# Altium PCB 2121_Robot3Roues.PcbDoc (part 1 of 2)
Units mm, origin at the board's own origin, x right, y up, seen from the top; angles counter-clockwise.
Board outline 100 x 152 mm, 2 copper layers (Top Layer, Bottom Layer), stack 1.62 mm thick; 144 components, 78 nets, 447 pads, 120 vias.
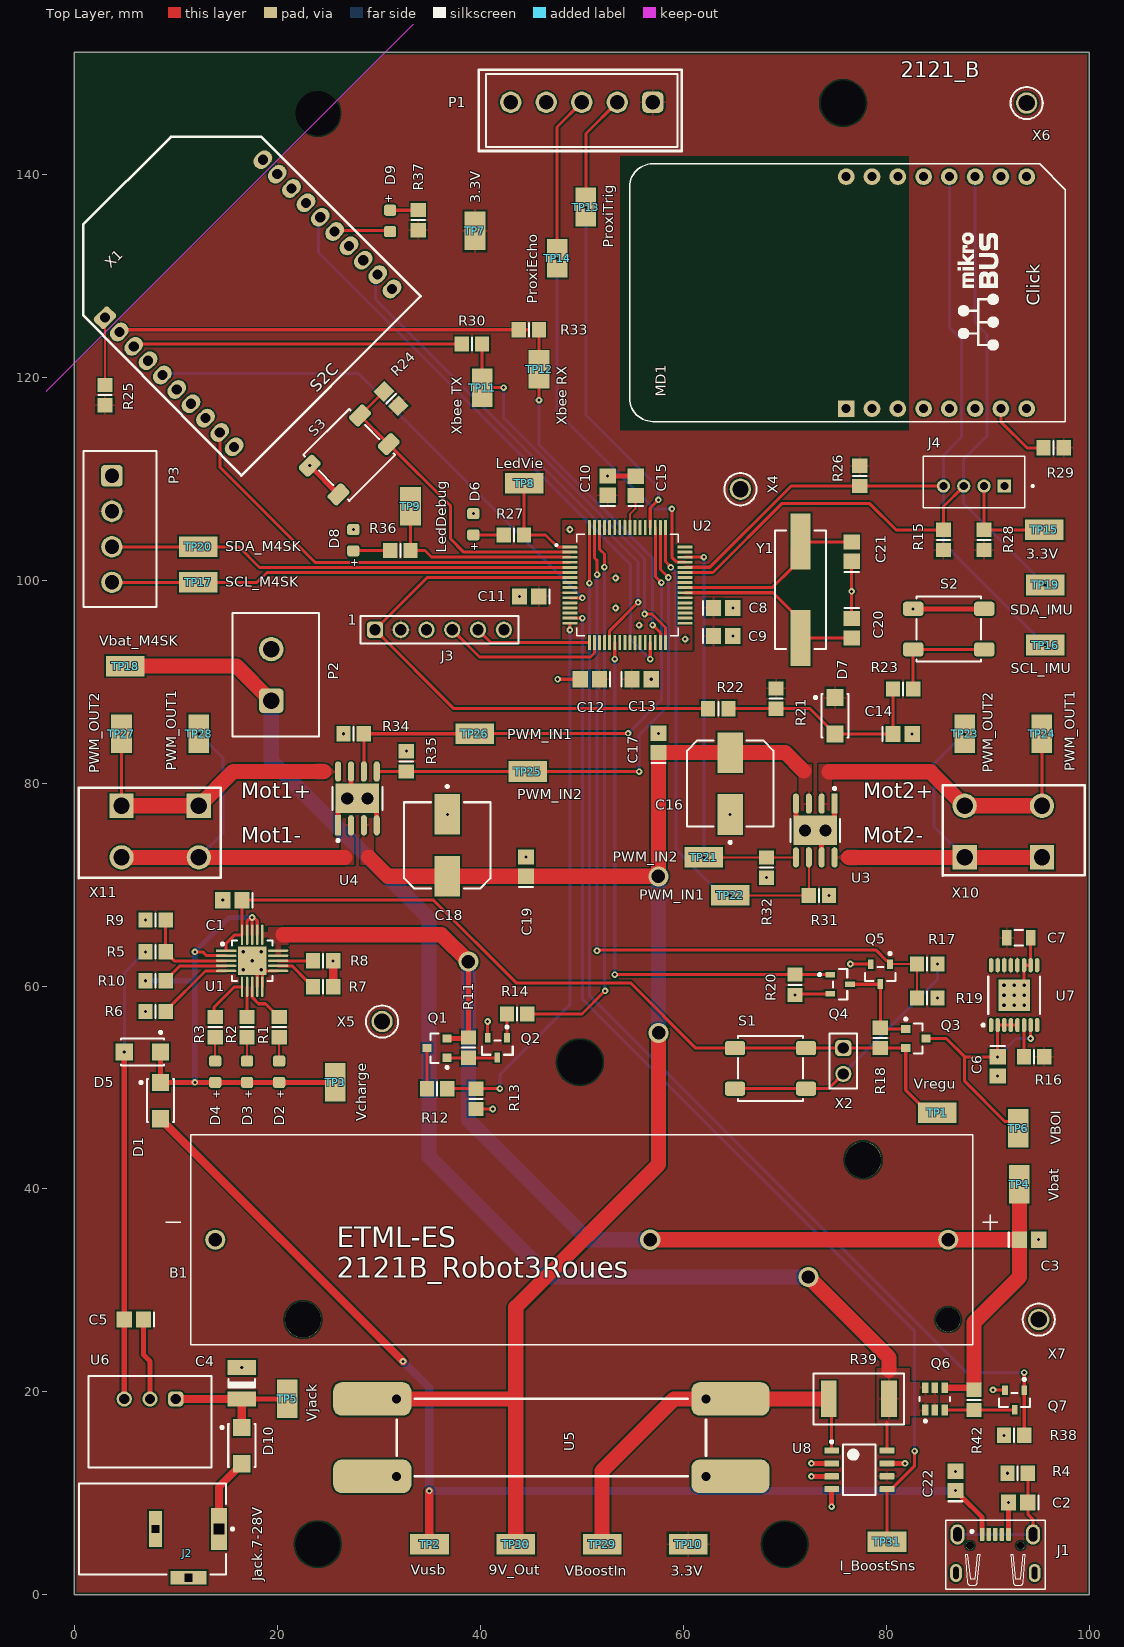
[diagram p0: Top Layer view]
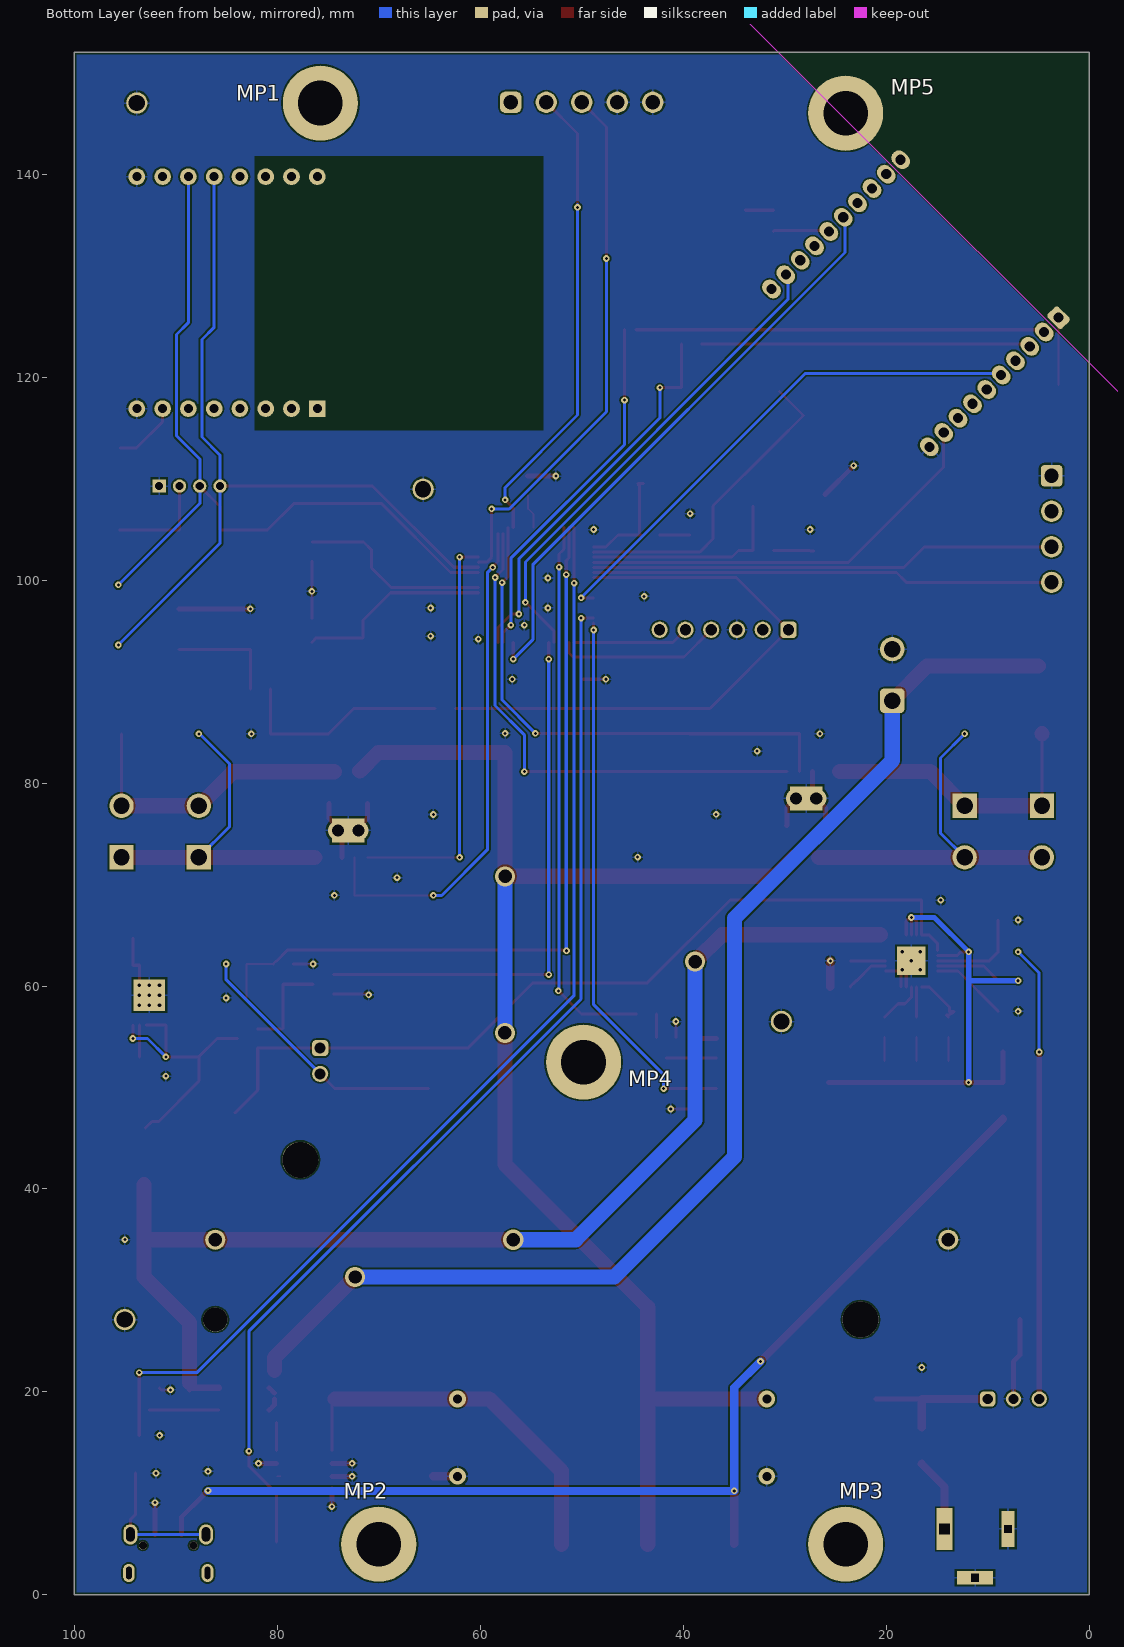
[diagram p1: Bottom Layer view, seen from below]

## Layer stack, top to bottom
Top Solder: solder mask 0.0102, Solder Resist, Dk 3.5
Top Layer: signal copper 0.035
Dielectric1: core 1.55, FR-4, Dk 4.8
Bottom Layer: signal copper 0.035
Bottom Solder: solder mask 0.0102, Solder Resist, Dk 3.5

## Board outline
0,0 0,152 100,152 100,0

## Design rules (kind name [scope] priority, off if disabled: settings)
BoardOutlineClearance [All] p1: gap=0.25 ignorepadtopadclearanceinfootprint=FALSE except(0: Arc-SplitContinuation Track-SplitContinuation SMDPad-SplitContinuation THPad-SplitContinuation Via-SplitContinuation Fill-SplitContinuation Poly-SplitContinuation Region-SplitContinuation Text-SplitContinuation)
Clearance Clearance-xPP-xTP-xTT [All] p1: gap=0.16 ignorepadtopadclearanceinfootprint=FALSE
ComponentClearance [All] p1: gap=0.25 collisioncheckmode=3 verticalgap=0.25 showdistances=FALSE
DiffPairsRouting [All] p1: maxlimit=0.25 minlimit=0.25 mostfreqgap=0.25 toplayer_minwidth=0.381 toplayer_maxwidth=0.381 toplayer_prefwidth=0.381 bottomlayer_minwidth=0.381 bottomlayer_maxwidth=0.381 bottomlayer_prefwidth=0.381 maxuncoupledlength=12.5
Height [All] p1: minheight=0 maxheight=25 prefheight=12.5
HoleSize HoleSize-PTH [All] p1: absolutevalues=TRUE maxlimit=10 minlimit=0.25 maxpercent=80.000 minpercent=20.000
HoleToHoleClearance [All] p1: gap=0.35 allowstackedmicrovias=TRUE
MinimumAnnularRing "Minimum IAR  >0.45mm" [((ObjectKind = 'Pad') OR (ObjectKind = 'Via')) And (Layer = 'MultiLayer') And (HoleDiameter > AsMM(0.45))] p1: minimumring=0.175 // minimum inner annular ring for pads > 0.45mm finished hole size
MinimumAnnularRing "Minimum IAR <=0.45mm" [((ObjectKind = 'Pad') OR (ObjectKind = 'Via')) And (Layer = 'MultiLayer') And (HoleDiameter <= AsMM(0.45))] p2: minimumring=0.175 // minimum inner annular ring for pads <= 0.45mm finished hole size
MinimumSolderMaskSliver [All] p1: minsoldermaskwidth=0.08
PasteMaskExpansion [All] p1: expansion=-0.025
PlaneClearance PlaneClearance-IPI [All] p1: clearance=0.25
PlaneConnect [All] p1: planeconnectstyle=Relief reliefexpansion=0.175 reliefentries=4 reliefconductorwidth=0.2 reliefairgap=0.2
PolygonConnect PolygonConnect-VBatOut [InNet('VBAT') vs HasFootprint('MICROCHIP_C04V2')] p1: connectstyle=Direct reliefconductorwidth=0.5 reliefentries=4 polygonreliefangle="90 Angle" airgapwidth=0.2
PolygonConnect PolygonConnect-xTW [All] p2: connectstyle=Relief reliefconductorwidth=0.2 reliefentries=4 polygonreliefangle="90 Angle" airgapwidth=0.2
RoutingCorners [All] p1: cornerstyle=45-Degree minsetback=2.5 maxsetback=2.5
RoutingVias RoutingViasES [All] p1: holewidth=0.3 width=0.65 viastyle="Through Hole" minholewidth=0.25 minwidth=0.61 maxholewidth=0.45 maxwidth=0.8 // finishet hole size <= 0.45mm
SilkToSilkClearance [All] p1: silktosilkclearance=0.2
SilkToSolderMaskClearance SilkscreenOverComponentPads [IsPad] p1: minsilkscreentomaskgap=0.2 clearancetoexposedcopper=TRUE
SolderMaskExpansion [All] p1: expansion=0 istentingtop=FALSE
SupplyNets "Schematic Supply Nets_6" [InNet('GND')] p1: voltage=0.000
SupplyNets "Schematic Supply Nets_5" [InNet('Vin')] p2: voltage=0.000
SupplyNets "Schematic Supply Nets_4" [InNet('3.3V')] p3: voltage=0.000
SupplyNets "Schematic Supply Nets_3" [InNet('VBOI')] p4: voltage=0.000
SupplyNets "Schematic Supply Nets_2" [InNet('VChargIn')] p5: voltage=0.000
SupplyNets "Schematic Supply Nets_1" [InNet('9V')] p6: voltage=0.000
SupplyNets "Schematic Supply Nets" [InNet('VBO')] p7: voltage=0.000
UnRoutedNet [All] p1: checkbadconnections=TRUE
Width Width-VBatOut [InNetClass('VBatOut')] p1: maxlimit=2 minlimit=0.3 preferedwidth=1.5 minimp=50.000000 maximp=50.000000 favimp=50.000000
Width Width-Power [InNetClass('Power')] p2: maxlimit=0.8 minlimit=0.3 preferedwidth=0.5
Width Width-xTW_1 [All] p3: maxlimit=1.5 minlimit=0.15 preferedwidth=0.3
17 further rules are at their usual default settings.

## Classes and differential pairs
net class Power: GND NetC5_2 NetC22_1 NetD10_1 VBO VBOI VChargIn Vin
net class VBatOut: NetP2_1 VBAT VBoostIn
component class U_PIC32: C8 C9 C10 C11 C12 C13 C14 C15 C20 C21 D6 D7 D8 J3 R21 R22 R23 R27 R36 S2 TP8 TP9 U2 U? Y1
component class U_Externe: D9 J4 MD1 P1 P2 P3 R15 R24 R25 R26 R28 R29 R30 R33 R37 S3 TP10 TP11 TP12 TP13 TP14 TP15 TP16 TP17 TP18 TP19 TP20 X1
component class "U_Contrôle moteur": C16 C17 C18 C19 R31 R32 R34 R35 TP21 TP22 TP23 TP24 TP25 TP26 TP27 TP28 U3 U4 X10 X11
component class U_Boost9V: R39 TP29 TP30 TP31 U5 U8
component class U_Alimentation: B1 C1 C2 C3 C4 C5 C6 C7 C22 D1 D2 D3 D4 D5 D10 J1 J2 MP1 MP2 MP3 MP4 MP5 Q1 Q2 Q3 Q4 Q5 Q6 Q7 R1 R2 R3 R4 R5 R6 R7 R8 R9 R10 R11 R12 R13 R14 R16 R17 R18 R19 R20 R38 R42 S1 TP1 TP2 TP3 TP4 TP5 TP6 TP7 U1 U6 U7 X2 X4 X5 X6 X7

## Components (designator, comment, footprint, x,y, rotation, side; value= is the part's Value field where it differs from the comment)
B1 "Battery" BAT_1043 50,35 r0 top locked value=3.3V
C1 "4.7uF, 35V" CAPC2012M 15.576,68.453 r180 top
C2 "4.7nF" CAPC2012M 93,9.1 r180 top
C3 "10uF, 10V" CAPC2012M 94.075,35 r0 top value=10uF
C4 "10uF, 63V" CAPC3225M 16.5,20.86 r90 top
C5 "22uF, 10V" CAPC2012M 5.87,27.13 r180 top
C6 "4.7uF, 35V" CAPC2012M 90.98,52.075 r270 top
C7 "6,8uF, 16V" FP-CGA4J-IPC_A 93.055,64.75 r0 top
C8 "100nF, 50V" CAPC2012M 63.932,97.25 r0 top
C9 "100nF, 50V" CAPC2012M 63.932,94.475 r0 top
C10 "100nF, 50V" CAPC2012M 52.551,109.3 r90 top
C11 "100nF, 50V" CAPC2012M 44.807,98.39 r180 top
C12 "100nF, 50V" CAPC2012M 50.8,90.225 r180 top
C13 "100nF, 50V" CAPC2012M 55.898,90.223 r0 top
C14 "100nF, 50V" CAPC2012M 81.611,84.837 r0 top
C15 "10uF, 10V" CAPC2012M 55.318,109.284 r90 top value=10uF
C16 "100uF, 25V" FP-UWX1E101MCL1GB-MFG 64.626,79.95 r90 top
C17 "100nF, 50V" CAPC2012M 57.551,83.95 r90 top
C18 "100uF, 25V" FP-UWX1E101MCL1GB-MFG 36.75,73.855 r270 top
C19 "100nF, 50V" CAPC2012M 44.5,71.755 r90 top
C20 "22pF, 10V" CAPC2012M 76.598,95.25 r270 top value=22pF
C21 "22pF, 10V" CAPC2012M 76.598,102.8 r90 top value=22pF
C22 "4.7uF, 35V" CAPC2012M 86.825,11.232 r90 top
D1 "SS14-E3/5AT" VISH-DO-214AC-2_V 8.5,48.71 r90 top
D2 "Super Red, 1.9 V" WL-SMCW_0805 20.186,51.55 r270 top
D3 "Super Red, 1.9 V" WL-SMCW_0805 17.026,51.55 r270 top
D4 "Super Red, 1.9 V" WL-SMCW_0805 13.885,51.55 r270 top
D5 "SS14-E3/5AT" VISH-DO-214AC-2_V 6.71,53.5 r0 top
D6 "Bright Green, 2 V" WL-SMCW_0805 39.315,105.495 r270 top
D7 "SS14-E3/5AT" VISH-DO-214AC-2_V 74.961,86.627 r90 top
D8 "Super Red, 1.9 V" WL-SMCW_0805 27.492,103.928 r270 top
D9 "Bright Green, 2 V" WL-SMCW_0805 31.119,135.389 r90 top
D10 "SS14-E3/5AT" VISH-DO-214AC-2_V 16.5,14.71 r90 top
J1 "WR-Communication Connectors 629105150521" 629105150521 90.75,5.962 r0 top
J2 "RAPC712X" SWITCH-RAPC712X-3_V 11.125,6.5 r270 top locked
J3 "61300611121" 61300611121 35.975,95.1 r0 top
J4 "110990030" SEEED_110990030 88.636,109.256 r180 top
MD1 "MIKROE-4073" MIKROE-2859 93.84,116.89 r90 top
MP1 "M3, Length 5mm" troueAbraser 75.75,147 r180 bottom
MP2 "M3, Length 5mm" troueAbraser 70,5 r180 bottom
MP3 "M3, Length 5mm" troueAbraser 24,5 r180 bottom
MP4 "M3, Length 5mm" troueAbraser 49.821,52.5 r180 bottom
MP5 "M3, Length 5mm" troueAbraser 24,146 r180 bottom
P1 "691321100005" 691321100005 50,146.275 r180 top
P2 "691311500102" 691311500102 19.85,90.65 r90 top
P3 "691321100004" 691321100004 4.5,105.025 r270 top
Q1 "NVR1P02T1G" ONSC-SOT-23-3-318-08_V 35.74,53.875 r180 top
Q2 "BSS138LT1G" FP-318-MFG 41.68,53.925 r270 top
Q3 "NVR1P02T1G" ONSC-SOT-23-3-318-08_V 82.925,54.83 r0 top
Q4 "BSS138LT1G" FP-318-MFG 75.461,60.171 r0 top
Q5 "BSS138LT1G" FP-318-MFG 79.415,61.171 r270 top
Q6 "IRLTS2242TRPBF" FP-PG-TSOP-6-MFG 84.8,19.31 r90 top
Q7 "BSS138LT1G" FP-318-MFG 92.65,19.21 r270 top
R1 "270R" RESC2012M 20.186,55.95 r270 top
R2 "270R" RESC2012M 17.026,55.95 r270 top
R3 "270R" RESC2012M 13.885,55.95 r270 top
R4 "1M" RESC2012M 92.95,11.99 r180 top
R5 "1k" RESC2012M 8.003,63.364 r0 top
R6 "10k" RESC2012M 8.001,57.5 r0 top
R7 "5.6k" RESC2012M 24.511,59.924 r180 top
R8 "1k" RESC2012M 24.511,62.484 r180 top
R9 "10k" RESC2012M 8.004,66.5 r0 top
R10 "10k" RESC2012M 8.001,60.519 r180 top
R11 "39k" RESC2012M 38.83,53.925 r90 top
R12 "39k" RESC2012M 35.74,49.884 r180 top
R13 "39k" RESC2012M 39.58,48.884 r90 top
R14 "270R" RESC2012M 43.63,57.25 r180 top
R15 "4.7k" RESC2012M 85.636,103.95 r270 top
R16 "100k" RESC2012M 94.58,53.025 r180 top
R17 "10k" RESC2012M 84.04,62.171 r0 top
R18 "6.2k" RESC2012M 79.415,54.88 r270 top
R19 "39k" RESC2012M 84.04,58.821 r180 top
R20 "10k" RESC2012M 71,60.121 r90 top
R21 "10k" RESC2012M 69.151,88.323 r90 top
R22 "1k" RESC2012M 63.453,87.323 r180 top
R23 "100R" RESC2012M 81.661,89.265 r180 top
R24 "47k" RESC2012M 31.218,117.869 r315 top
R25 "0R" RESC2012M 3.022,118.225 r270 top
R26 "4.7k" RESC2012M 77.398,110.256 r90 top
R27 "270R" RESC2012M 43.315,104.445 r0 top
R28 "0R" RESC2012M 89.636,103.95 r270 top
R29 "0R" RESC2012M 96.498,113.028 r0 top
R30 "0R" RESC2012M 39.18,123.248 r0 top
R31 "10k" RESC2012M 73.371,68.925 r180 top
R32 "10k" RESC2012M 68.201,71.675 r90 top
R33 "0R" RESC2012M 44.791,124.663 r0 top
R34 "10k" RESC2012M 27.53,84.855 r0 top
R35 "10k" RESC2012M 32.715,82.135 r270 top
R36 "270R" RESC2012M 32.124,102.904 r0 top
R37 "270R" RESC2012M 33.89,135.46 r270 top
R38 "10k" RESC2012M 92.6,15.734 r0 top
R39 "40 mOhms ±1% 4W" RES2512_VMS-R040-1.0-U 77.3,19.31 r0 top
R42 "10k" RESC2012M 88.65,19.21 r90 top
S1 "430451035836" 430451035836 68.599,51.88 r180 top
S2 "430451035836" 430451035836 86.161,95.168 r0 top
S3 "430451035836" 430451035836 27.09,112.328 r225 top
TP1 "Vregu" KSTN-5019_V 85.04,47.51 r0 top
TP2 "Vusb" KSTN-5019_V 35,5 r180 top
TP3 "Vcharge" KSTN-5019_V 25.693,50.5 r270 top
TP4 "Vbat" KSTN-5019_V 93.125,40.446 r90 top
TP5 "Vjack" KSTN-5019_V 21,19.31 r270 top
TP6 "VBOI" KSTN-5019_V 93,46 r90 top
TP7 "3.3V" KSTN-5019_V 39.48,134.4 r270 top
TP8 "LedVie" KSTN-5019_V 44.315,109.525 r180 top
TP9 "LedDebug" KSTN-5019_V 33.124,107.276 r90 top
TP10 "3.3V" KSTN-5019_V 60.5,5 r180 top
TP11 "Xbee TX" KSTN-5019_V 40.185,118.95 r270 top
TP12 "Xbee RX" KSTN-5019_V 45.791,120.75 r90 top
TP13 "ProxiTrig" KSTN-5019_V 50.386,136.755 r90 top
TP14 "ProxiEcho" KSTN-5019_V 47.567,131.687 r90 top
TP15 "3.3V" KSTN-5019_V 95.564,104.95 r0 top
TP16 "SCL_IMU" KSTN-5019_V 95.662,93.598 r0 top
TP17 "SCL_M4SK" KSTN-5019_V 12.214,99.775 r180 top
TP18 "Vbat_M4SK" KSTN-5019_V 5.025,91.525 r180 top
TP19 "SDA_IMU" KSTN-5019_V 95.662,99.517 r0 top
TP20 "SDA_M4SK" KSTN-5019_V 12.214,103.275 r180 top
TP21 "PWM_IN2" KSTN-5019_V 62.038,72.675 r180 top
TP22 "PWM_IN1" KSTN-5019_V 64.626,68.925 r0 top
TP23 "PWM_OUT2" KSTN-5019_V 87.728,84.837 r90 top
TP24 "PWM_OUT1" KSTN-5019_V 95.33,84.855 r270 top
TP25 "PWM_IN2" KSTN-5019_V 44.7,81.13 r180 top
TP26 "PWM_IN1" KSTN-5019_V 39.453,84.855 r180 top
TP27 "PWM_OUT2" KSTN-5019_V 4.65,84.855 r270 top
TP28 "PWM_OUT1" KSTN-5019_V 12.272,84.855 r270 top
TP29 "VBoostIn" KSTN-5019_V 52,5 r180 top
TP30 "9V_Out" KSTN-5019_V 43.5,5 r0 top
TP31 "I_BoostSns" KSTN-5019_V 80.075,5.237 r180 top
U1 "MCP73871T-2CCI/ML" MICROCHIP_C04V2 17.526,62.484 r0 top
U2 "PIC32MX795F512H-80I/PT" PIC32MX765F512H 54.5,99.5 r0 top
U3 "HbridgeControl" Rohm_HTSOP-J8_IPC_A 73.006,75.325 r270 top
U4 "HbridgeControl" Rohm_HTSOP-J8_IPC_A 27.895,78.48 r90 top
U5 "MT3608 Module" MT3608 47,15.5 r90 top locked
U6 "173010578" WPME-FDSM_SIP-3_173010x78 7.46,17.06 r180 top
U7 "MAX1793EUE33+" TSOP65P640X110_HS-17N 92.605,59.096 r90 top
U8 "LMP8601MAX/NOPB" D0008A_N 77.35,12.325 r0 top
X1 "XB24CAUIT-001" Xbee_TH 17.164,127.268 r45 top
X2 "Conn2.54" 61300211121 75.775,52.61 r270 top
X4 "5011" KSTN-5011_V 65.632,108.95 r90 top
X5 "5011" KSTN-5011_V 30.325,56.5 r0 top
X6 "5011" KSTN-5011_V 93.84,147 r0 top
X7 "5011" KSTN-5011_V 95.032,27.13 r0 top
X10 "691256610002" ConnMoteur_V2 95.348,72.675 r90 top
X11 "691256610002" ConnMoteur_V2 4.652,77.755 r270 top
Y1 "8MHz, 22p" FOX-FOXSDLF160-20_V 71.548,99.05 r90 top value="8M, 22p"

## Footprints (in the part's own frame and the unit in brackets; to place one, negate y for a bottom-side part, rotate by r counter-clockwise, add the part's x,y. Pads: shape width x height; smd on the part's side, far side on the other; paste and mask are expansions set on the pad)
61300211121 [mm]
  rrect50% 1.6x1.6 hole 1.1: 1(-1.27,0)
  round 1.6 hole 1.1: 2(1.27,0)
  silkscreen extent -2.69,-1.35 2.69,1.35, body extent -2.54,-1.27 2.54,1.27, height 8.57
61300611121 [mm]
  rrect40% 1.6x1.6 hole 1.1: 1(-6.35,0)
  round 1.6 hole 1.1: 2(-3.81,0) 3(-1.27,0) 4(1.27,0) 5(3.81,0) 6(6.35,0)
  silkscreen extent -7.77,-1.35 7.77,1.34, body extent -7.62,-1.27 7.62,1.27, height 8.57
430451035836 [mm]
  rrect40% 2x1.4 smd: 1(-3.5,2) 2(3.5,2) 3(-3.5,-2) 4(3.5,-2)
  silkscreen extent -3.2,-3.2 3.2,3.2, body extent -4,-3.1 4,3.1, height 3.5
629105150521 [mm]
  rrect50% 0.45x1.3 smd: 1(-1.3,0) 2(-0.65,0) 3(0,0) 4(0.65,0) 5(1.3,0)
  oval 1.4x2 hole 0.85 slot 1.4 at 90 deg: Z1(-3.725,0) Z2(3.725,0)
  oval 1.15x1.8 hole 0.55 slot 1.2 at 90 deg: Z4(-3.875,-3.8) Z4(3.875,-3.8)
  round 0.8 hole 0.8 unplated: ""(-2.5,-1.1) ""(2.5,-1.1)
  silkscreen extent -4.9,-5.4 4.9,1.4, body extent -4,-6.25 4,0.35, height 2.67
691311500102 [mm]
  rrect30% 2.4x2.4 hole 1.6: 1(-2.54,0.45)
  round 2.4 hole 1.6: 2(2.54,0.45)
  silkscreen extent -6.08,-4.25 6.08,4.25, body extent -6.08,-4.25 6.08,4.25, height 12.05
691321100004 [mm]
  rrect30% 2.1x2.1 hole 1.4: 1(-5.25,-0.8)
  round 2.1 hole 1.4: 2(-1.75,-0.8) 3(1.75,-0.8) 4(5.25,-0.8)
  silkscreen extent -7.7,-3.6 7.7,3.6, body extent -7.7,-3.6 7.7,3.6, height 9.3
691321100005 [mm] "Vertical PCB Header, pitch 3.5mm, 05p"
  rrect50% 2.1x2.1 hole 1.4: 1(-7,-0.8)
  round 2.1 hole 1.4: 2(-3.5,-0.8) 3(0,-0.8) 4(3.5,-0.8) 5(7,-0.8)
  silkscreen extent -9.45,-3.6 9.45,3.6, body extent -9.45,-3.6 9.45,3.6, height 9.3
BAT_1043 [mm]
  round 1.98 hole 1.32: 1(36.11,0) 2(-36.11,0)
  round 3.55 hole 3.55 unplated: ""(-27.47,-7.87) ""(27.73,7.87)
  round 2.39 hole 2.39 unplated: ""(36.11,-7.87)
  silkscreen extent -41,-10.33 41,10.33
CAPC2012M [mm] "Chip Capacitor, Body 2.0x1.3mm, IPC Low Density"
  rect 1.5x1.6 smd: 1(-0.95,0) 2(0.95,0)
  silkscreen extent -2,-0.7 -2,0.7, body extent -1.1,-0.72 1.1,0.72, height 1.1
CAPC3225M [mm] "Chip Capacitor, Body 3.2x2.5mm, IPC Low Density"
  rect 1.5x2.8 smd: 1(-1.55,0) 2(1.55,0)
  silkscreen extent -0.4,-1.3 0.4,1.3, body extent -1.7,-1.35 1.7,1.35, height 1.35
ConnMoteur_V2 [mm]
  rect 2.4x2.4 hole 1.6: 1(0,7.62) 1(0,0)
  round 2.4 hole 1.6: 2(5.08,7.62) 2(5.08,0)
  silkscreen extent -1.79,-4.2 7.11,9.78
D0008A_N [mm] "SOIC, 8-Leads, Body 5x4mm, Pitch 1.27mm, IPC Medium Density"
  rrect17% 1.45x0.6 smd: 1(-2.725,1.905) 2(-2.725,0.635) 3(-2.725,-0.635) 4(-2.725,-1.905) 5(2.725,-1.905) 6(2.725,-0.635) 7(2.725,0.635) 8(2.725,1.905)
  silkscreen extent -2.85,-2.5 1.6,2.88, body extent -3,-2.45 3,2.45, height 1.63
FOX-FOXSDLF160-20_V [mm] "SMD, 2-Leads, Body 5x11.7mm, Height 4.5mm"
  rect 5.5x2 smd: 1(-4.75,0) 2(4.75,0)
  silkscreen extent -5.85,-2.5 5.85,2.5, body extent -5.85,-2.5 5.85,2.5, height 4.5
FP-318-MFG [mm]
  rect 0.95x0.56 smd paste+0 mask+0: 1(-0.975,0.95) 2(-0.975,-0.95) 3(0.975,0)
  silkscreen extent -2.15,-1.52 0.7,1.52, body extent -1.55,-1.62 1.55,1.62, height 0.25
FP-CGA4J-IPC_A [mm]
  rect 0.956x1.556 smd paste+0 mask+0: 1(-1.175,0) 2(1.175,0)
  silkscreen extent -0.4,-0.78 0.4,0.78, body extent -2.15,-1.28 2.15,1.28, height 0.25
FP-PG-TSOP-6-MFG [mm]
  rect 1.06x0.65 smd paste+0 mask+0: 1(-1.1,0.95) 2(-1.1,0) 3(-1.1,-0.95) 4(1.1,-0.95) 5(1.1,0) 6(1.1,0.95)
  silkscreen extent -2.3,-1.5 0.2,1.5, body extent -1.4,-1.45 1.4,1.45, height 1.45
FP-UWX1E101MCL1GB-MFG [mm]
  rect 4x2.5 smd paste+0 mask+0: 1(-3.05,0) 2(3.05,0)
  silkscreen extent -5.92,-4.25 4.25,4.25, body extent -5.3,-4.5 5.3,4.5, height 0.25
KSTN-5011_V [mm] "Test Point, Dia 3.17mm"
  round 2.1 hole 1.6: 1(0,0)
  silkscreen extent -1.58,-1.59 1.58,1.59, body extent -1.59,-1.59 1.59,1.59, height 8.13
KSTN-5019_V [mm] "Test Point, 1-Leads, Body 3.81x2.03mm"
  rect 3.8x2.03 smd: 1(0,0)
  body extent -1.9,-1.01 1.9,1.02, height 2.29
MICROCHIP_C04V2 [mm]
  rect 2x0.239 smd paste+0 mask+0: 1(-2.56,1)
  rrect100% 2x0.239 smd paste+0 mask+0: 2(-2.56,0.5) 3(-2.56,0) 4(-2.56,-0.5) 5(-2.56,-1) 11(2.56,-1) 12(2.56,-0.5) 13(2.56,0) 14(2.56,0.5) 15(2.56,1)
  rrect100% 0.239x2 smd paste+0 mask+0: 6(-1,-2.56) 7(-0.5,-2.56) 8(0,-2.56) 9(0.5,-2.56) 10(1,-2.56) 16(1,2.56) 17(0.5,2.56) 18(0,2.56) 19(-0.5,2.56) 20(-1,2.56)
  rect 2.8x2.8 smd paste-1000 mask+0: 21(0,0)
  rect 2.8x2.8 smd far side paste-1000 mask+0: 21(0,0)
  silkscreen extent -3.05,-2 2,2, body extent -2,-2 2,2, height 1
MIKROE-2859 [mil]
  rect 65x65 hole 35: 1(0,700)
  round 65 hole 35: 2(0,600) 3(0,500) 4(0,400) 5(0,300) 6(0,200) 7(0,100) 8(0,0) 9(900,0) 10(900,100) 11(900,200) 12(900,300) 13(900,400) 14(900,500) 15(900,600) 16(900,700)
  silkscreen extent -50,-150 950,1540, body extent -58,-150 957,1540, height 340
MT3608 [mm] "Régulateur de tension DC-DC Boost 2-24V"
  rrect50% 3.3x7.7 smd: 0(-3.81,-17.64) 1(3.81,-17.64) 2(3.81,17.64) 3(-3.81,17.64)
  silkscreen extent -3.81,-15.24 3.81,15.24
ONSC-SOT-23-3-318-08_V [mm] "SOT23, 3-Leads, Body 2.92x1.3mm, Pitch 0.95mm"
  rect 0.9x0.8 smd: 1(-1,0.95) 2(-1,-0.95) 3(1,0)
  silkscreen extent -1.13,-1.46 0.65,2.02, body extent -0.65,-1.46 0.65,1.46, height 1.11
PIC32MX765F512H [mm]
  rrect30% 1.47x0.28 smd: 1(-5.67,3.75) 2(-5.67,3.25) 3(-5.67,2.75) 4(-5.67,2.25) 5(-5.67,1.75) 6(-5.67,1.25) 7(-5.67,0.75) 8(-5.67,0.25) 9(-5.67,-0.25) 10(-5.67,-0.75) 11(-5.67,-1.25) 12(-5.67,-1.75) 13(-5.67,-2.25) 14(-5.67,-2.75) 15(-5.67,-3.25) 16(-5.67,-3.75) 33(5.67,-3.75) 34(5.67,-3.25) 35(5.67,-2.75) 36(5.67,-2.25) 37(5.67,-1.75) 38(5.67,-1.25) 39(5.67,-0.75) 40(5.67,-0.25) 41(5.67,0.25) 42(5.67,0.75) 43(5.67,1.25) 44(5.67,1.75) 45(5.67,2.25) 46(5.67,2.75) 47(5.67,3.25) 48(5.67,3.75)
  rrect30% 0.28x1.47 smd: 17(-3.75,-5.67) 18(-3.25,-5.67) 19(-2.75,-5.67) 20(-2.25,-5.67) 21(-1.75,-5.67) 22(-1.25,-5.67) 23(-0.75,-5.67) 24(-0.25,-5.67) 25(0.25,-5.67) 26(0.75,-5.677) 27(1.25,-5.67) 28(1.75,-5.67) 29(2.25,-5.67) 30(2.75,-5.67) 31(3.25,-5.67) 32(3.75,-5.67) 49(3.75,5.67) 50(3.25,5.67) 51(2.75,5.67) 52(2.25,5.67) 53(1.75,5.67) 54(1.25,5.67) 55(0.75,5.67) 56(0.25,5.67) 57(-0.25,5.67) 58(-0.75,5.67) 59(-1.25,5.67) 60(-1.75,5.67) 61(-2.25,5.67) 62(-2.75,5.67) 63(-3.25,5.67) 64(-3.75,5.67)
  silkscreen extent -7.1,-5 5,5
RES2512_VMS-R040-1.0-U [mm]
  rect 1.55x3.6 smd: 1(-2.975,0) 2(2.975,0)
  silkscreen extent -4.45,-2.5 4.45,2.5
RESC2012M [mm] "Chip Resistor, Body 2.0x1.3mm, IPC Low Density"
  rect 1.4x1.5 smd: 1(-1,0) 2(1,0)
  silkscreen extent 0,-0.65 0,0.65, body extent -1.07,-0.7 1.07,0.7, height 0.65
Rohm_HTSOP-J8_IPC_A [mm]
  rect 2.005x0.594 smd paste+0 mask+0: 1(-2.65,1.905)
  rrect100% 2.005x0.594 smd paste+0 mask+0: 2(-2.65,0.635) 3(-2.65,-0.635) 4(-2.65,-1.905) 5(2.65,-1.905) 6(2.65,-0.635) 7(2.65,0.635) 8(2.65,1.905)
  rect 2.9x4.3 smd paste-1000 mask+0: 9(0,0)
  rect 2.4x3.2 smd far side paste-1000 mask+0: 9(0,0)
  silkscreen extent -4.28,-2.45 1.15,2.45, body extent -4.15,-2.95 4.15,2.95, height 0.25
SEEED_110990030 [mm]
  rect 1.308x1.308 hole 0.8: 1(-3,0)
  round 1.308 hole 0.8: 2(-1,0) 3(1,0) 4(3,0)
  silkscreen extent -5.9,-2.95 5,2.15
SWITCH-RAPC712X-3_V [mm] "CONN, 3-Leads, Body 14.5x9mm"
  rect 4.1x1.55 hole 1.01 square: 1(0,3.125)
  rect 3.55x1.3 hole 0.76 square: 2(0,-3.125)
  rect 1.3x3.55 hole 0.76 square: 3(4.8,0.125)
  silkscreen extent -4.5,-10.68 4.5,4.58, body extent -4.5,-10.68 4.5,3.83, height 11
troueAbraser [mm] "M3 Thread Internal, Length 5mm"
  round 7.4 / inner round 0 / far side round 0 hole 4.4 unplated paste-2539.97: 1(0,0)
  body extent -3,-3 3,3, height 5.01
TSOP65P640X110_HS-17N [mm] "TSOP, 16-Leads, Body 5.00x4.40mm, Pitch 0.65mm, Thermal Pad 3.10x3.10mm, IPC Medium Density"
  oval 1.4x0.45 smd: 1(-2.95,2.275) 2(-2.95,1.625) 3(-2.95,0.975) 4(-2.95,0.325) 5(-2.95,-0.325) 6(-2.95,-0.975) 7(-2.95,-1.625) 8(-2.95,-2.275) 9(2.95,-2.275) 10(2.95,-1.625) 11(2.95,-0.975) 12(2.95,-0.325) 13(2.95,0.325) 14(2.95,0.975) 15(2.95,1.625) 16(2.95,2.275)
  rect 3.1x3.1 smd: 10(0,0)
  rect 3.1x3.1 smd far side: 10(0,0)
  silkscreen extent -3.07,-2.55 1.85,3.17, body extent -3.19,-2.55 3.19,2.55, height 1.1
VISH-DO-214AC-2_V [mm] "SMA, 2-Leads, Body 4.245x2.665mm, Height 2.29mm"
  rect 1.7x1.68 smd: 1(-1.79,0) 2(1.79,0)
  silkscreen extent -2.12,-1.33 2.12,2.06, body extent -2.57,-1.33 2.57,1.33, height 2.29
WL-SMCW_0805 [mm]
  rrect40% 1.1x1.2 smd: 1(-1.05,0) 2(1.05,0)
  body extent -1,-0.63 1,0.62, height 0.7
WPME-FDSM_SIP-3_173010x78 [mm] "Fixed Step Down Regulator Module, SIP-3, body 11.60 x 8.50 mm"
  rrect50% 1.5x1.5 hole 1: 1(-2.54,-2.25)
  round 1.5 hole 1: 2(0,-2.25) 3(2.54,-2.25)
  silkscreen extent -6.05,-4.5 6.05,4.5, body extent -5.8,-4.25 5.8,4.25, height 10.55
Xbee_TH [mm]
  rrect40% 2x1.5 hole 1: 1(-11,9)
  oval 2x1.5 hole 1: 2(-11,7) 3(-11,5) 4(-11,3) 5(-11,1) 6(-11,-1) 7(-11,-3) 8(-11,-5) 9(-11,-7) 10(-11,-9) 11(11,-9) 12(11,-7) 13(11,-5) 14(11,-3) 15(11,-1) 16(11,1) 17(11,3) 18(11,5) 19(11,7) 20(11,9)
  silkscreen extent -12.5,-11.5 12.5,17, body extent -12.38,-11.19 12.12,16.71, height 3.56

## Part data
B1: "LiPo battery 4.2V / 1173015-62", Manufacturer 1=Molex, Manufacturer Part Number 1=78171-0002, Supplier Part Number 1=538-78171-0002, ComponentLink1Description=Datasheet, ComponentLink1URL=http://www.mouser.com/ds/2/276/0781710002_PCB_HEADERS-152473.pdf, Pin Count=2, Prix u / 1=0.57, Supplier=DigiKey, Supplier 1=Mouser, Supplier min. quantity=1, Supplier PN=WM4459CT-ND, Supplier price=0.58
C1 C6 C22: library part CMP-08246-002735-1, "Multilayer Ceramic Capacitors 4.7μF ±10% 35V X7R SMD 0805", Capacitance=4.7uF, Case Code (Imperial)=0805, Case Code (Metric)=2012, Dielectric=X7R, Dielectric Material=Ceramic, Max Operating Temperature=125°C, Min Operating Temperature=-55°C, Package Quantity=2000, Tolerance=10%, Voltage Rating=35V, Case/Package=0805, Construction=Flat, Depth=1.25mm, Height=1.25mm, Lead Free="Lead Free", Length=2mm, Mount="Surface Mount", Packaging="Tape and Reel", Radiation Hardening=No, REACH SVHC="No SVHC", RoHS Compliant=Yes, Series=C, Termination=SMD/SMT, Thickness=0.057inch, Voltage Rating (DC)=35V, Weight=0.000194oz, Width=0.049inch
C2: library part CMP-2007-00141-2, "Chip Multilayer Ceramic Capacitors for General Purpose, 0805, 4700pF, C0G, 30ppm/°C, 5%, 50V", Case Code (Imperial)=0805, Case Code (Metric)=2012, Dielectric=C0G, Dielectric Material=Ceramic, Insulation Resistance=10GR, Max Operating Temperature=125°C, Min Operating Temperature=-55°C, Package Quantity=4000, Temperature Coefficient=30ppm/°C, Tolerance=5%, Voltage=50V, Capacitance=4.7nF, Case/Package=0805, Depth=1.25mm, Height=0.85mm, Lead Free="Lead Free", Length=2mm, Mount="Surface Mount", Number of Pins=2, Packaging="Tape and Reel", Radiation Hardening=No, REACH SVHC="No SVHC", Termination=SMD/SMT, Thickness=0.037inch, Voltage Rating=50V, Voltage Rating (DC)=50V, Width=0.049inch
C3: library part CMP-2007-03243-2, "CAP CER 10UF 10V X5R 0805", 3DS Part Number=220-00001, Capacitance=10uF, Manufacturer=Kemet, Manufacturer Part Number=C0805C106K8PACTU, Package=C0805C-DG, Supplier Part Number 1=1276-2897-1-ND, Temperature="-55°C to +85°C", Temperature Characteristic=X5R, Temperature Coefficient=15%, Temperature Range High=+85°C, Temperature Range Low=-55°C, Tolerance=10%, Voltage=10V, Automotive=No, Category=Cap, ComponentLink2Description=Datasheet, ComponentLink2URL=https://content.kemet.com/datasheets/KEM_C1006_X5R_SMD.pdf, Device Class L1="Passive Components", Device Class L2=Capacitors, Device Class L3="Ceramic Capacitors", Digikey Description="CAP CER 10UF 10V X5R 0805", Height=1.4mm, Ipc Land Pattern Name=CAPC200125X125, Lead Free=Yes, Material=Ceramic, Mouser Description="CAP CER 10UF 10V X5R 0805", Octopart=https://octopart.com/c0805c106k8pactu-kemet-98697, RoHS=TRUE, Supplier 1=DigiKey, Voltage Rating=10V
C4: library part CMP-2000-07458-2, "CAP CER 10UF 63V X7R 1210", Capacitance=10uF, Case Code (Imperial)=1210, Case Code (Metric)=3225, Dielectric=X7R, Dielectric Material=Ceramic, Max Operating Temperature=125°C, Min Operating Temperature=-55°C, Package Quantity=1000, Tolerance=10%, Voltage=63V, Case/Package=1210, Depth=2.5mm, Height=2.5mm, Lead Free="Lead Free", Length=3.2mm, Material=Ceramic, Mount="Surface Mount", Packaging="Tape and Reel", REACH SVHC="No SVHC", RoHS Compliant=Yes, Termination=SMD/SMT, Thickness=0.106inch, Voltage Rating=63V, Voltage Rating (DC)=63V, Weight=0.00388oz, Width=2.5mm
C5: library part CMP-2007-00096-1, "10V 22uF X5R ±20% 0805 Multilayer Ceramic Capacitors MLCC - SMD/SMT ROHS", Manufacturer=Murata, Part Number=GRM219R61A226MEA0D, Supplier Part Number 1=2695949, Supplier 1=Farnell
C7: library part CMP-08246-001453-1, "Cap Ceramic 6.8uF 16V X5R 20% Pad SMD 0805 +85°C Automotive T/R", Capacitance=6.8uF, Case Code (Imperial)=0805, Case Code (Metric)=2012, Max Operating Temperature=85°C, Min Operating Temperature=-55°C, Package Quantity=1, Ratings=AEC-Q200, Tolerance=20%, Voltage Rating=16V, Case/Package=0805, Length=0.079inch, Mount="Surface Mount", Packaging="Tape and Reel", Thickness=0.057inch, Width=0.049inch
C8 C9 C10 C11 C12 C13 C14 C17 C19: library part 885012207098, "WCAP-CSGP General Purpose Ceramic Capacitors, size 0805, 100nF, +/-10%, 50VDC", Capacitance=100nF, Capacitance Tolerance=+/-10%, Isolation Resistance=>=5GOhm, Operating Temperature="-55 to +125degC", Rated Voltage=50VDC, Supplier Part Number 1=732-8080-1-ND, Ceramic Type=X7R, ComponentLink1Description=Manufacturer, ComponentLink1URL=http://www.we-online.de, ComponentLink2Description=Datasheet, ComponentLink2URL=https://katalog.we-online.com/pbs/datasheet/885012207098.pdf, Dissipation Factor=#NAME?, Height="0.8mm +/-0.10mm", Mounting Technology=SMD, Packaging="Tape and Reel", Part Number=885012207098, Published Date="August 2019", Publisher="Wurth Elektronik", Size=0805, Supplier 1=Digi-Key, Supplier 2=Distrelec, Supplier Part Number 2=30067953, Technical Reference=X7R0805104K050DFCT10000
C15: library part CMP-2007-03243-2, "CAP CER 10UF 10V X5R 0805", 3DS Part Number=220-00001, Capacitance=10uF, Manufacturer=Kemet, Manufacturer Part Number=C0805C106K8PACTU, Package=C0805C-DG, Temperature="-55°C to +85°C", Temperature Characteristic=X5R, Temperature Coefficient=15%, Temperature Range High=+85°C, Temperature Range Low=-55°C, Tolerance=10%, Voltage=10V, Automotive=No, Category=Cap, ComponentLink2Description=Datasheet, ComponentLink2URL=https://content.kemet.com/datasheets/KEM_C1006_X5R_SMD.pdf, Device Class L1="Passive Components", Device Class L2=Capacitors, Device Class L3="Ceramic Capacitors", Digikey Description="CAP CER 10UF 10V X5R 0805", Height=1.4mm, Ipc Land Pattern Name=CAPC200125X125, Lead Free=Yes, Material=Ceramic, Mouser Description="CAP CER 10UF 10V X5R 0805", Octopart=https://octopart.com/c0805c106k8pactu-kemet-98697, RoHS=TRUE, Voltage Rating=10V
C16 C18: library part CMP-12462-000012-1, "CAP ALUM 100UF 20% 25V SMD", Capacitance=100uF, Case/Package=Radial, Dielectric Material=Aluminium, Leakage Current=3uA, Max Operating Temperature=85°C, Min Operating Temperature=-40°C, Package Quantity=1000, Ripple Current=110mA, Tolerance=20%, Voltage=25V, Diameter=8mm, Dissipation Factor=0.14%, Height=5.4mm, Height - Seated (Max)=0.213inch, Lead Diameter=0.8mm, Lead Free="Lead Free", Lead Pitch=2.3mm, Length=5.4mm, Life (Hours)=2000Hour, Mount="Surface Mount", Number of Pins=2, Packaging="Tape and Reel", Polarity=Polar, Radiation Hardening=No, REACH SVHC="No SVHC", Ripple Current (AC)=110mA, Termination=SMD/SMT, Voltage Rating=25V, Voltage Rating (DC)=25V, Weight=0.01lb, Width=0.25inch
C20 C21: library part CMP-1036-01211-1, "CAP 22pF 10V ±10% 0805 (2012 Metric) Thickness 0.75mm SMD", Case-EIA=0805, Case-Metric=2012, Rated Voltage="10 V", Tolerance=Â±10%, Max Thickness="0.75 mm", Technology=SMT
D1 D5 D7 D10: library part CMP-0549-00004-1, "Schottky Barrier Rectifier, 40 V Maximum DC Blocking Voltage, -65 to 125 degC, 2-Pin SMA Case, RoHS", Manufacturer="Vishay Semiconductor", Operating Temperature="-65 to 125 degC", ComponentLink1Description="Manufacturer URL", ComponentLink1URL=http://www.vishay.com/, ComponentLink2Description=Datasheet, ComponentLink2URL=http://www.vishay.com/docs/88746/ss12.pdf, ComponentLink3Description="Package Specification", ComponentLink3URL=http://www.vishay.com/docs/88746/ss12.pdf, DatasheetVersion=12/17/2012, IF(AV)="1 A Max.", IFSM="40 A", Mounting Technology="Surface Mount", PackageDescription="2-Pin SMD, Body 4.245 x 2.665 mm, Height 2.29 mm", PackageReference=DO-214AC-2, PackageVersion=Dec-12, PartNumber=SS14-E3/5AT, RoHS=TRUE, VDC="40 V Max.", VRMS="28 V Max.", VRRM="40 V Max."
D2 D3 D4 D8: library part 150080SS75000, "SMT Mono-color Chip LED Waterclear WL-SMCW, size 0805, Super Red, 1.9 V, 140 deg, 60 mcd", Emitting Color="Super Red", Forward Voltage="1.9 V", Operating Temperature="-40 to 85 degC", Supplier Part Number 1=732-4985-1-ND, Chip Technology=AlInGaP, ComponentLink1Description=Manufacturer, ComponentLink1URL=http://www.we-online.de, ComponentLink2Description=Datasheet, ComponentLink2URL=https://katalog.we-online.de/led/datasheet/150080SS75000.pdf, Dominant Wavelength="630 nm", Luminous Intensity="60 mcd", Mounting Technology=SMT, Packaging="Tape and Reel", Part Number=150080SS75000, Peak Wavelength="645 nm", Published Date="November 2018", Publisher="Wurth Elektronik", Size=0805, Supplier 1=Digi-Key, Supplier 2=Distrelec, Supplier Part Number 2=30008875, Viewing Angle="140 deg"
D6 D9: library part 150080VS75000, "SMT Mono-color Chip LED Waterclear WL-SMCW, size 0805, Bright Green, 2 V, 140 deg, 40 mcd", Emitting Color="Bright Green", Forward Voltage="2 V", Operating Temperature="-40 to 85 degC", Supplier Part Number 1=732-4986-1-ND, Chip Technology=AlInGaP, ComponentLink1Description=Manufacturer, ComponentLink1URL=http://www.we-online.de, ComponentLink2Description=Datasheet, ComponentLink2URL=https://katalog.we-online.de/led/datasheet/150080VS75000.pdf, Dominant Wavelength="570 nm", Luminous Intensity="40 mcd", Mounting Technology=SMT, Packaging="Tape and Reel", Part Number=150080VS75000, Peak Wavelength="572 nm", Published Date="November 2018", Publisher="Wurth Elektronik", Size=0805, Supplier 1=Digi-Key, Supplier 2=Distrelec, Supplier Part Number 2=30008876, Viewing Angle="140 deg"
J1: "WR-COM_USB_Micro Type B_Horizontal_SMT", Manufacturer="Würth Elektronik eiSos GmbH", partNo=629105150521, Supplier Part Number 1=732-5960-1-ND, ComponentLink1 Description=Manufacturer, ComponentLink1URL=http://www.we-online.de, ComponentLink2 Description=Datasheet, ComponentLink2URL=http://katalog.we-online.de/em/datasheet/629105150521.pdf, Created by="Karrer Zheng", Created Date=10/21/2014, NoPins=5, Supplier 1=Digi-Key, Supplier 2=Distrelec, Supplier Part Number 2=30009163
J2: library part CMP-2000-05383-1, "Conn Powerjack Mini R/A PCMT, 5 A, 3-Pin THD, RoHS", Color=Black, Current Rating=5A, Manufacturer=Switchcraft, Standard Package=2,500, Catalog Drawings="RAPC7(1,2)2XSide /  / RAPC7(1,2)2XTop", Category=Connectors,Interconnects, Connector Type=Jack, Contact Material=Brass, Contact Material - Plating=Nickel, Datasheet URL=https://datasheet.ciiva.com/391/rapc712x-cd-391666.pdf, Datasheet Version="Rev. A, 08/2005", Dynamic Catalog=SwitchcraftInc, Family=Barrel-PowerConnectors, Gender=Male, Housing Color=Black, Housing Material=Thermoplastic, Internal Switch(s)=SingleSwitch,NormallyClosed, Manufacturer URL=http://www.switchcraft.com/, Mating Products="SC1539-ND / -CONNPLUGMINIPWR2CONDBLK/RED / SC1051-ND / -CONNPLUGMINIPOWER2CONDBLACK", Mounting Type=ThroughHole,RightAngle, Number of Positions/Contacts=2Conductors,2Contacts, Other Names="Q2387461 / Q2526383 / RAPC712X-ND / SC237", Plug/Mating Plug Diameter=2.5mmID,5.5mmOD, RoHS Information=SwitchcraftRoHSInfo, Shielding=Unshielded, Termination=SolderEyelet(s)
J3: "WR-PHD Pin Header, THT, pitch 2.54mm, Single Row, Vertical, 6pin", Contact Resistance=20mOhm, Operating Temperature="-40 to +105degC", Rated Current=3A, Supplier Part Number 1=732-5319-ND, Withstanding Voltage=500VAC, Working Voltage=250VAC, ComponentLink1Description=Manufacturer, ComponentLink1URL=http://www.we-online.de, ComponentLink2Description=Datasheet, ComponentLink2URL=https://katalog.we-online.de/em/datasheet/6130xx11121.pdf, Gender=Male, Mounting Technology=THT, Orientation=Vertical, Packaging=Bag, Part Number=61300611121, Pin Number=6, Pitch=2.54mm, Published Date="June 2019", Publisher="Wurth Elektronik", Row Number=Single, Supplier 1=Digi-Key, Supplier 2=Distrelec, Supplier Part Number 2=30024526
J4: "GROVE 2MM 4PIN VERT CONN 10PCS", Package=None, Arrow_Electronics-Purchase-URL=https://snapeda.com/shop?store=Arrow+Electronics&id=583576, Availability=Good, MF="Seeed Technology", Mouser-Purchase-URL=https://snapeda.com/shop?store=Mouser&id=583576, MP=110990030, Price=None, SnapEDA_Link=https://www.snapeda.com/parts/110990030/Seeed%20Technology%20Co.,%20Ltd/view-part/583576/?ref=snap
MP1 MP2 MP3 MP4 MP5: library part 9774050360, "WA-SMSI SMT Steel Spacer, M3 Thread Internal, Length 5mm", ComponentLink1Description=Manufacturer, ComponentLink1URL=http://www.we-online.de, ComponentLink2Description=Datasheet, ComponentLink2URL=http://katalog.we-online.de/em/datasheet/9774050360.pdf, InnerDiameter=4.2mm, Length=5mm, OuterDiameter=6mm, Packaging=Bulk, PartNumber=9774050360, PublishedDate="Dec. 2016", Publisher="Wurth Elektronik", Supplier="Stock ES", Thread=M3
P1: library part CMP-1502-01786-3, "3211; 3.5MM Pitch Straight Pluggable Term Block, Pcb Header, Through Hole, 5 Way", Color=Green, Current=10A, Voltage=300V, Contact Material=Brass, Gender=Male, Height=12.7mm, Lead Pitch=3.5mm, Length=7mm, Mount="Through Hole", Number of Contacts=5, Number of Levels=1, Number of Pins=5, Number of Positions Per Level=5, Number of Rows=1, Orientation=Vertical, Packaging=Box, Pitch=3.5052mm, RoHS=Compliant, Termination=Solder, Width=22.1mm
P2: "TERM BLOCK HDR 2POS VERT 5.08MM", Color=Green, Current=20A, Manufacturer="Wurth Electronics", Operating Temperature="-40 to +105degC", Package Quantity=600, Supplier Part Number 1=732-2058-ND, Voltage=300V, Working Voltage [UL]=300VAC, Application=Pluggable, Category="Terminal Blocks", Compliance="ROHS & Reach", ComponentLink1Description=Manufacturer, ComponentLink1URL=http://www.we-online.de, ComponentLink2Description=Datasheet, ComponentLink2URL=https://katalog.we-online.de/em/datasheet/691311500102.pdf, ComponentLink3Description=https://datasheet.ciiva.com/8043/624565-8043494.pdf?src-supplier=Element14, ComponentLink3URL=https://datasheet.ciiva.com/8043/624565-8043494.pdf?src-supplier=Element14, ComponentLink4Description=https://datasheet.ciiva.com/795/6913115001xx-795807.pdf?src-supplier=Digi-Key, ComponentLink4URL=https://datasheet.ciiva.com/795/6913115001xx-795807.pdf?src-supplier=Digi-Key, ComponentLink5Description=https://datasheet.ciiva.com/48686/001088643-da-01-en-wr-tbl-terminal-block311-691311500102-48686869.pdf?src-supplier=Conrad, ComponentLink5URL=https://datasheet.ciiva.com/48686/001088643-da-01-en-wr-tbl-terminal-block311-691311500102-48686869.pdf?src-supplier=Conrad, Contact Material=Brass, Contact Plating=Tin, Height=12mm, Length=8.5mm, Manufacturer Part Number=691311500102, Modularity=No, Mount="Through Hole", Mounting Technology=THT, Number of Contacts=2, Number of Levels=1, Number of Positions Per Level=2, Number of Rows=1, Orientation=Vertical, Packaging=Box, Part Number=691311500102, PCB/Cable/Panel=PCB, Pin Number=2, Pitch=5.08mm, Pricing 1="1=0.28000, 10=0.24600, 50=0.21300, 100=0.20400 (USD)", Published Date="October 2019", Publisher="Wurth Elektronik", Rated Current [UL]=20A, REACH SVHC=Unknown, RoHS=Yes, Stock 1=1175, Supplier 1=Digi-Key, Termination=Solder, Type=Vertical, Width=11.5mm
P3: "WR-TBL Serie 3211 Vertical PCB Header, Pluggable, pitch 3.5mm, 4p", Operating Temperature="-40 to +105degC", Rated Current [UL]=10A, Working Voltage [UL]=300VAC, Application=Pluggable, Compliance=RoHS, ComponentLink1Description=Manufacturer, ComponentLink1URL=http://www.we-online.de, ComponentLink2Description=Datasheet, ComponentLink2URL=https://katalog.we-online.de/em/datasheet/691321100004.pdf, Modularity=No, Mounting Technology=THT, Packaging=Box, Part Number=691321100004, PCB/Cable/Panel=PCB, Pin Number=4, Pitch=3.5mm, Published Date="October 2019", Publisher="Wurth Elektronik", Type=Vertical
Q1 Q3: library part CMP-1058-00745-1, "Power MOSFET, -20 V, -1 A, P-Channel, 3-Pin SOT-23, Pb-Free, Tape and Reel", Manufacturer="On Semiconductor", Package Type=SOT-23-3, Channel Polarity="P Channel", Ciss Typ (pF)=165, ComponentLink1Description="Manufacturer URL", ComponentLink1URL=http://www.onsemi.com/, ComponentLink2Description=Datasheet, ComponentLink2URL=http://www.onsemi.cn/pub_link/Collateral/NTR1P02T1-D.PDF, ComponentLink3Description="Package Specification", ComponentLink3URL=http://www.onsemi.cn/pub_link/Collateral/318-08.PDF, Configuration=Single, Coss Typ (pF)=110, Crss Typ (pF)=35, DatasheetVersion="Rev. 7", ID Max (A)=1, Mounting Technology="Surface Mount", PackageDescription="3-Pin Small Outline Transistor, Body 2.92 x 1.3 mm, Pitch 0.95 mm", PackageReference=SOT-23-3-318-08, PackageVersion="Rev. AP, 11/2009", Packing="Tape and Reel", PartNumber=NVR1P02T1G, PD Max (W)=0.4, Qrr Typ (nC)=8, RoHS=Pb-Free, V(BR)DSS Min (V)=20, VGS Max (V)=20, VGS(th) Max (V)=2.3
Q2 Q4 Q5 Q7: library part CMP-1058-00767-2, Case/Package=SOT-23-3, Continuous Drain Current (ID)=200mA, Drain to Source Breakdown Voltage=50V, Drain to Source Resistance=3.5Ω, Gate to Source Voltage (Vgs)=20V, Input Capacitance=50pF, Manufacturer Lifecycle Status=ACTIVE, Max Junction Temperature (Tj)=150°C, Max Power Dissipation=225mW, Min Operating Temperature=-55°C, Threshold Voltage=1.5V, Contact Plating=Tin, Current Rating=200mA, Drain to Source Voltage (Vdss)=50V, Element Configuration=Single, Halogen Free="Halogen Free", Height=1.01mm, Lead Free="Lead Free", Length=3.04mm, Lifecycle Status=Production, Max Operating Temperature=150°C, NexarPartId=5035, Nominal Vgs=1.5V, Number of Channels=1, Number of Elements=1, Number of Pins=3, Packaging="Cut Tape", Power Dissipation=225mW, Radiation Hardening=No, Rds On Max=3.5Ω, REACH SVHC="No SVHC", Resistance=3.5Ω, RoHS=Compliant, Schedule B=8541210080, Turn-Off Delay Time=20ns, Turn-On Delay Time=20ns, Voltage Rating (DC)=50V, Width=1.4mm
Q6: library part CMP-32901-000413-1, "MOSFET P-CH 20V 6.9A 6TSOP", Case/Package=TSOP, Continuous Drain Current (ID)=6.9A, Drain to Source Voltage (Vdss)=-20V, Gate to Source Voltage (Vgs)=12V, Input Capacitance=905pF, Max Operating Temperature=150°C, Max Power Dissipation=2W, Min Operating Temperature=-55°C, Threshold Voltage=-400mV, Contact Plating=Tin, Halogen Free="Halogen Free", Lead Free="Lead Free", Max Dual Supply Voltage=-20V, Mount="Surface Mount", Number of Pins=6, Packaging="Tape and Reel", Rds On Max=32mR, REACH SVHC="No SVHC", Rise Time=18ns, RoHS Compliant=Yes
R1 R2 R3 R14 R27 R36 R37: library part CMP-2001-00528-1, Manufacturer=Panasonic, Part Number=ERJ6ENF2703V
R4: library part CMP-2001-01721-1, Manufacturer=Yageo, Part Number=RT0805BRD071ML
R5 R8 R22: library part CMP-1013-00510-2, Manufacturer="Vishay Dale", Part Number=CRCW08051K00FKEA
R6 R9 R10 R17 R20 R21 R31 R32 R34 R35 R38 R42: library part CMP-2001-04376-1, Manufacturer=Panasonic, Part Number=ERJ-6ENF1002V
R7: library part CMP-2001-04031-1, Manufacturer="Vishay Dale", Part Number=CRCW08055K60JNEA
R11 R12 R13 R19: library part CMP-2001-00410-1, Manufacturer=Panasonic, Part Number=ERJ-6GEYJ393V
R15 R26: library part CMP-2001-00487-1, Manufacturer=Panasonic, Part Number=ERJ-P06J472V
R16: library part CMP-2001-00479-1, Manufacturer=Panasonic, Part Number=ERJ-P06J104V
R18: library part CMP-2001-00562-1, Manufacturer=Panasonic, Part Number=ERJ6ENF6201V
R23: library part CMP-2001-04723-1, Manufacturer="Vishay Dale", Part Number=TNPW0805100RBEEA
R24: library part CMP-2001-00421-1, Manufacturer=Panasonic, Part Number=ERJ-6GEYJ473V
R25 R28 R29 R30 R33: library part CMP-2001-04896-1, Manufacturer="Vishay Dale", Part Number=CRCW08050000Z0EA
R39: library part VMS-R040-1.0-U, "40 mOhms ±1% 4W Pavé résistif 2512 (6332 métrique) Automobile AEC-Q200, détection du courant, résistance à l'humidité, résistance aux impulsions Feuille métallique", Supplier Part Number 1=4423-VMS-R040-1.0-UCT-ND, Supplier 1=DigiKey